# Altium PCB Graviton_11JAN15.PcbDoc (part 11 of 11)
Units mil, origin at the board's own origin, x right, y up, seen from the top; angles counter-clockwise.
Board outline 7874.02 x 7874.02 mil, 10 copper layers (Top Layer, Internal Plane 2, Signal Layer 2, Internal Plane 3, Signal Layer 4, Signal Layer 5, Internal Plane 4, Signal Layer 7, Internal Plane 1, Bottom Layer), stack 78.455 mil thick; 1275 components, 1501 nets, 7937 pads, 1712 vias.
Unrouted connection lines stored in the file: 273.
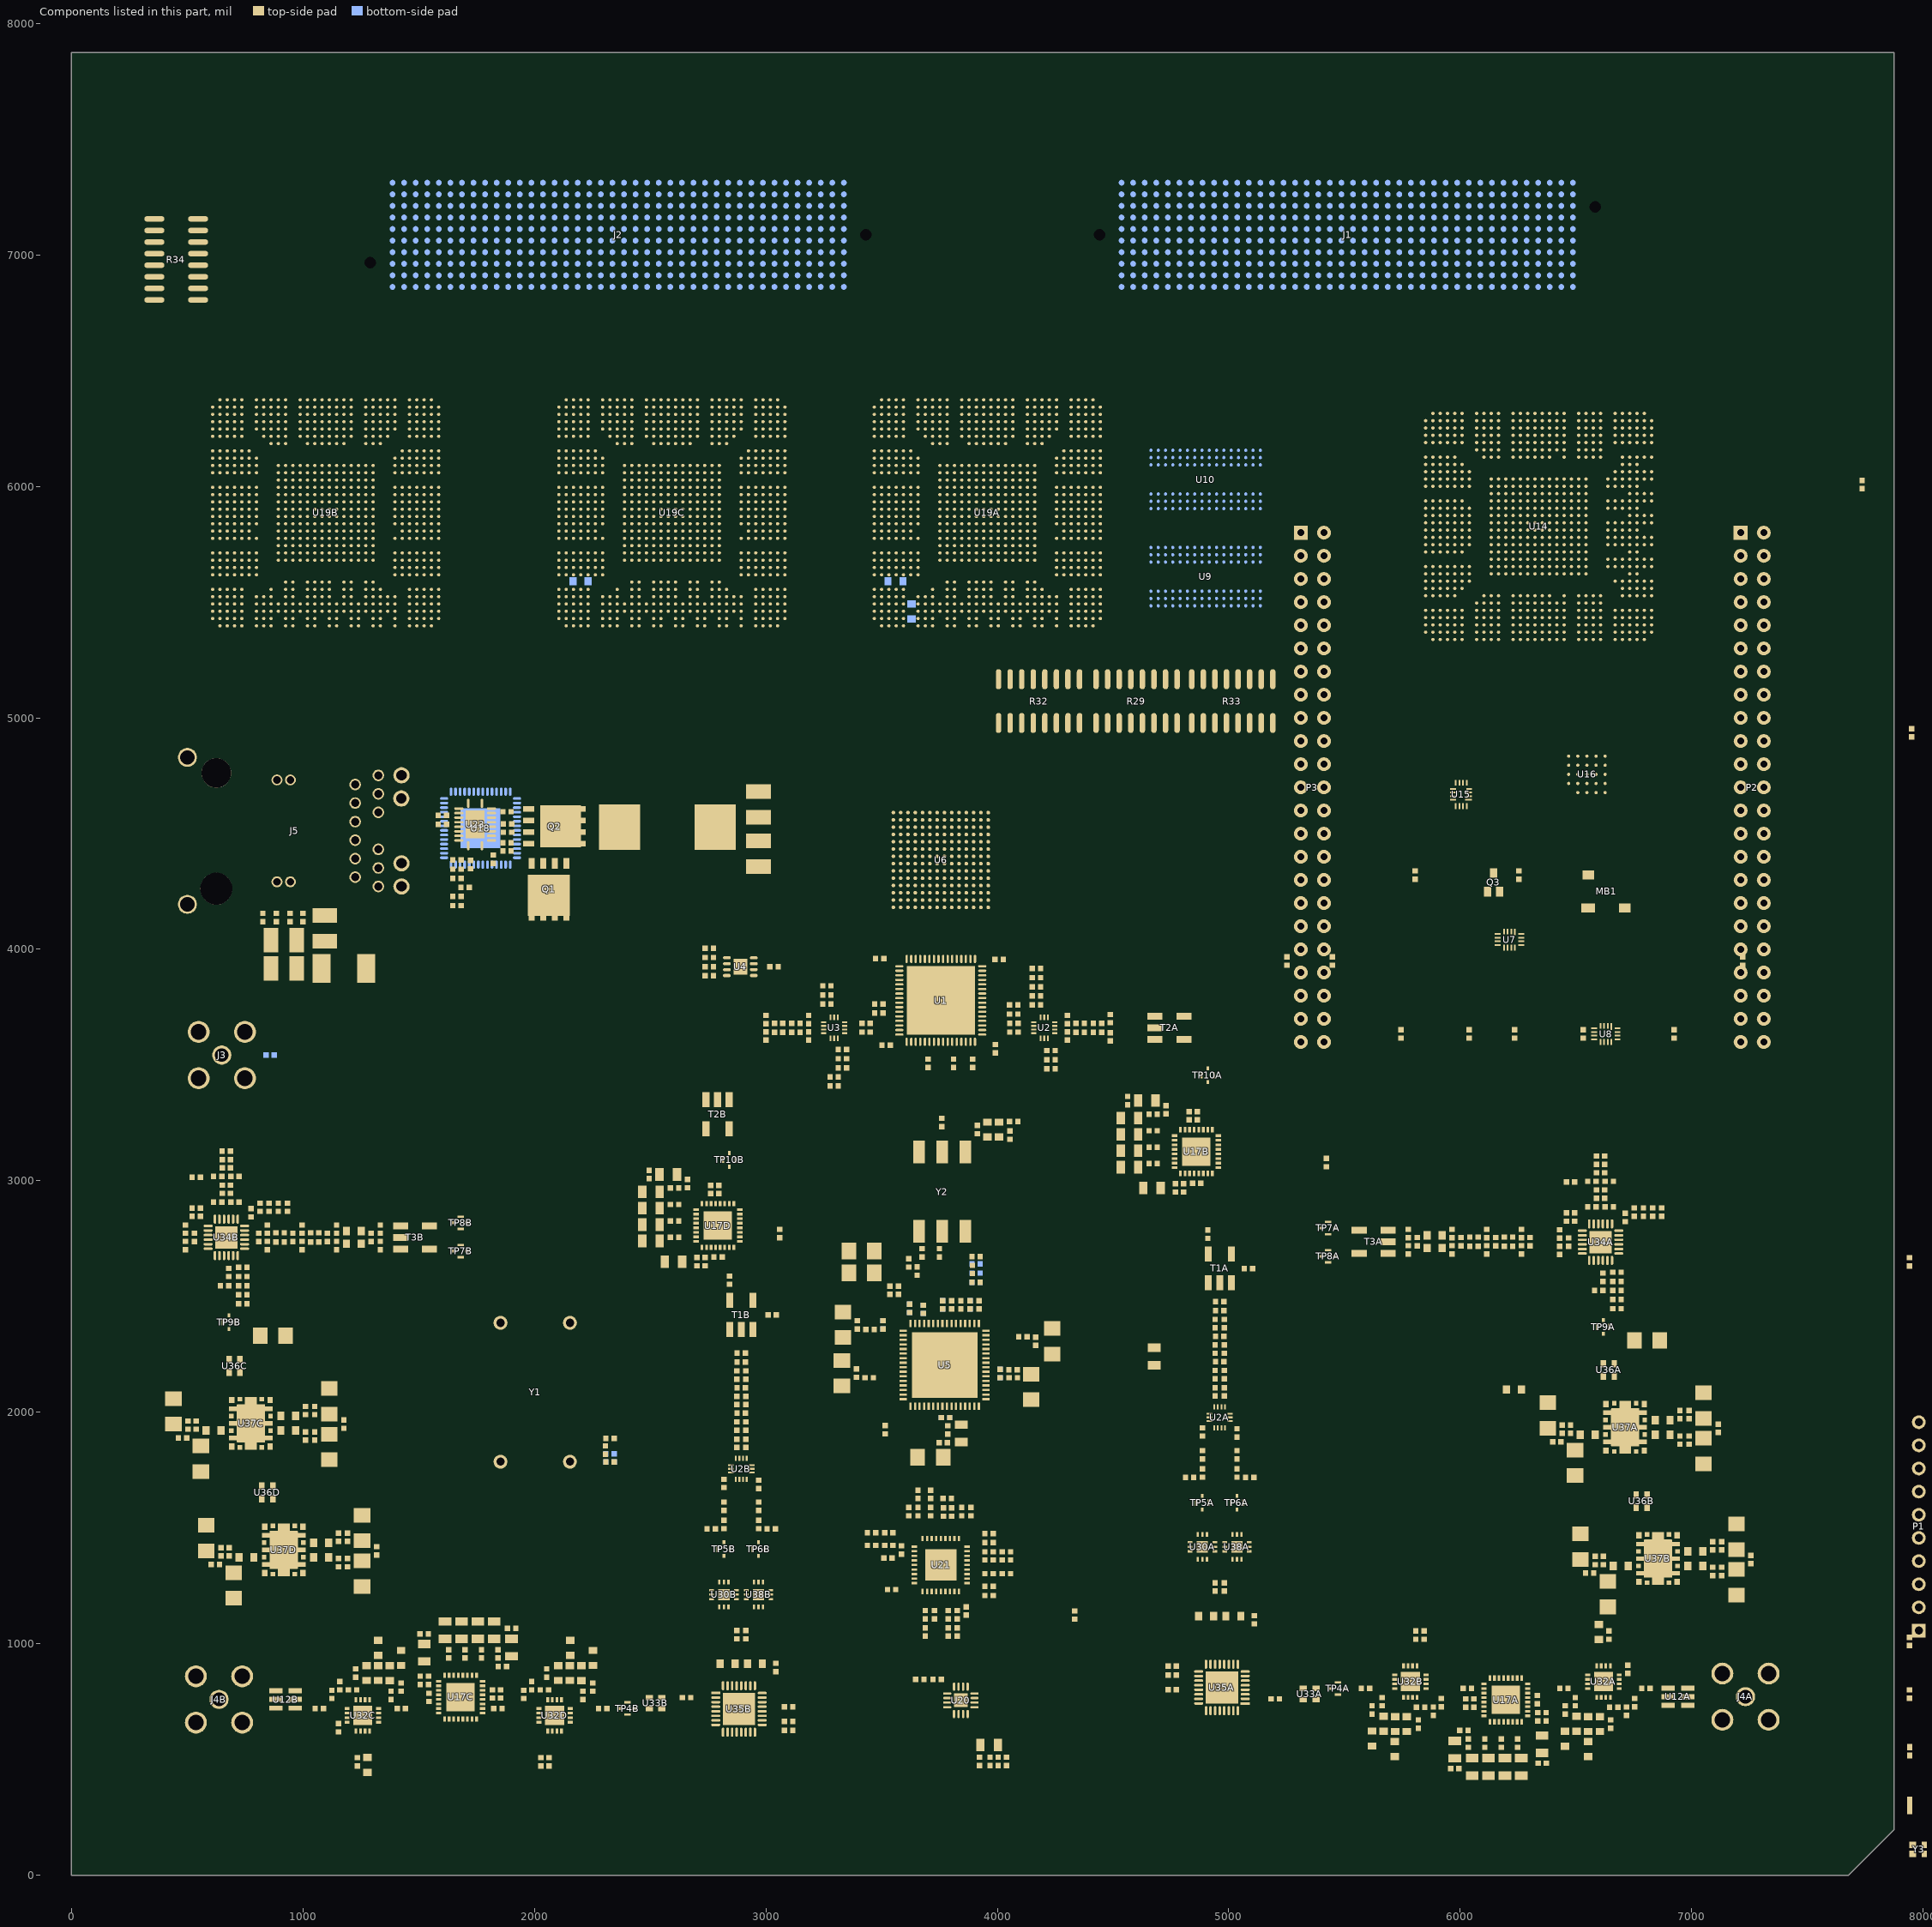
[diagram p18: the components of this part, seen from the top]

## Silkscreen, mask and mechanical layers (free items; w line width, h text height) (continued)
Drill Drawing:
  lines w4.92: 10620.87,4833.86 10670.87,4883.86 ; 10620.87,4933.86 10670.87,4983.86 ; 10670.87,4833.86 10720.87,4883.86 ; 10670.87,4933.86 10720.87,4983.86 ; 10720.87,4833.86 10770.87,4883.86 ; 10720.87,4933.86 10770.87,4983.86 ; 10770.87,4833.86 10820.87,4883.86 ; 10770.87,4933.86 10820.87,4983.86 ; 10820.87,4833.86 10870.87,4883.86 ; 10820.87,4933.86 10870.87,4983.86 ; 10870.87,4833.86 10920.87,4883.86 ; 10870.87,4933.86 10920.87,4983.86 ; 10920.87,4833.86 10970.87,4883.86 ; 10920.87,4933.86 10970.87,4983.86 ; 10970.87,4833.86 11020.87,4883.86 ; 10970.87,4933.86 11020.87,4983.86 ; 11020.87,4833.86 11070.87,4883.86 ; 11020.87,4933.86 11070.87,4983.86 ; 11070.87,4833.86 11120.87,4883.86 ; 11070.87,4933.86 11120.87,4983.86
  lines w10: 9470.87,4558.86 9470.87,5433.86 12170.87,5433.86 12170.87,4558.86 ; 9470.87,4758.86 12170.87,4758.86 ; 9470.87,4858.86 10570.87,4858.86 ; 9470.87,4958.86 10570.87,4958.86 ; 9470.87,5058.86 12170.87,5058.86 ; 9470.87,5158.86 12170.87,5158.86 ; 9470.87,5283.86 12170.87,5283.86 ; 9970.87,4558.86 9970.87,5433.86 ; 10630.87,5218.86 10640.87,5218.86 ; 10660.87,5198.86 10670.87,5198.86 ; 10670.87,4888.86 11070.87,4888.86 ; 10670.87,4898.86 11070.87,4898.86 ; 10670.87,4908.86 11070.87,4908.86 ; 10670.87,4913.86 11070.87,4913.86 ; 10670.87,4923.86 11070.87,4923.86 ; 10670.87,4933.86 10670.87,4883.86 ; 10690.87,5218.86 10700.87,5218.86 ; 10720.87,5198.86 10730.87,5198.86 ; 10750.87,5218.86 10760.87,5218.86 ; 10780.87,5198.86 10790.87,5198.86 ; 10810.87,5218.86 10820.87,5218.86 ; 10840.87,5198.86 10850.87,5198.86 ; 10870.87,5218.86 10880.87,5218.86 ; 10900.87,5198.86 10910.87,5198.86 ; 10930.87,5218.86 10940.87,5218.86 ; 10960.87,5198.86 10970.87,5198.86 ; 10990.87,5218.86 11000.87,5218.86 ; 11020.87,5198.86 11030.87,5198.86 ; 11050.87,5218.86 11060.87,5218.86 ; 11070.87,4933.86 11070.87,4883.86 ; 11080.87,5198.86 11090.87,5198.86 ; 11110.87,5218.86 11120.87,5218.86 ; 11220.87,4558.86 11220.87,5433.86 ; 11220.87,4858.86 12170.87,4858.86 ; 11220.87,4958.86 12170.87,4958.86 ; 10670.87,4883.86 10620.87,4883.86 10620.87,4833.86 11120.87,4833.86 11120.87,4883.86 11070.87,4883.86 ; 10670.87,4883.86 11070.87,4883.86 ; 10620.87,4933.86 11120.87,4933.86 11120.87,4983.86 10620.87,4983.86 10620.87,4933.86 ; 10620.87,5083.86 10620.87,5133.86 11120.87,5133.86 11120.87,5083.86 10620.87,5083.86 ; 10620.87,5183.86 10620.87,5233.86 11120.87,5233.86 11120.87,5183.86 10620.87,5183.86
  text "1. LEAD-FREE HASL" at 9529.63,6032.38 h45
  text "2. SOLDERMASK: GREEN" at 9529.63,5932.38 h45
  text "3. SILKSCREEN: WHITE" at 9520.87,5846.46 h45
  text "4. NO BOTTOM SOLDERMASK" at 9520.87,5746.46 h45
  text "LAYER" at 9520.87,5333.86 h45
  text "FINISH" at 11270.87,5333.86 h45
  text "SILK SCREEN" at 10020.87,5183.86 h45
  text "SOLDER MASK" at 10020.87,5083.86 h45
  text "1 (TOP) S" at 9520.87,4983.86 h45
  text "COPPER (1oz.)" at 10020.87,4983.86 h45
  text "0.036 (0.0014)" at 11245.87,4983.86 h45
  text "PHENOLIC (FR-4)" at 10020.87,4883.86 h45
  text "1.57 (0.062)" at 11245.87,4883.86 h45
  text "2 (BOT) S" at 9520.87,4783.86 h45
  text "COPPER (1oz.)" at 10020.87,4783.86 h45
  text "0.036 (0.0014)" at 11245.87,4783.86 h45
  text ".Legend" at -1633.46,-869.09 h47.24

## Text inside footprints (layer, text, board x,y; h text height)
MB1: Top Overlay "1" at 6667.29,4167.42 h30